# Altium PCB Base PCB.PcbDoc (part 2 of 2)
Units mm, origin at the board's own origin, x right, y up, seen from the top; angles counter-clockwise.
Board outline 85.05 x 98.92 mm, 4 copper layers (Top Layer, Middle Layer 1, Middle Layer 2, Bottom Layer), stack 0.603 mm thick; 150 components, 101 nets, 424 pads, 161 vias.
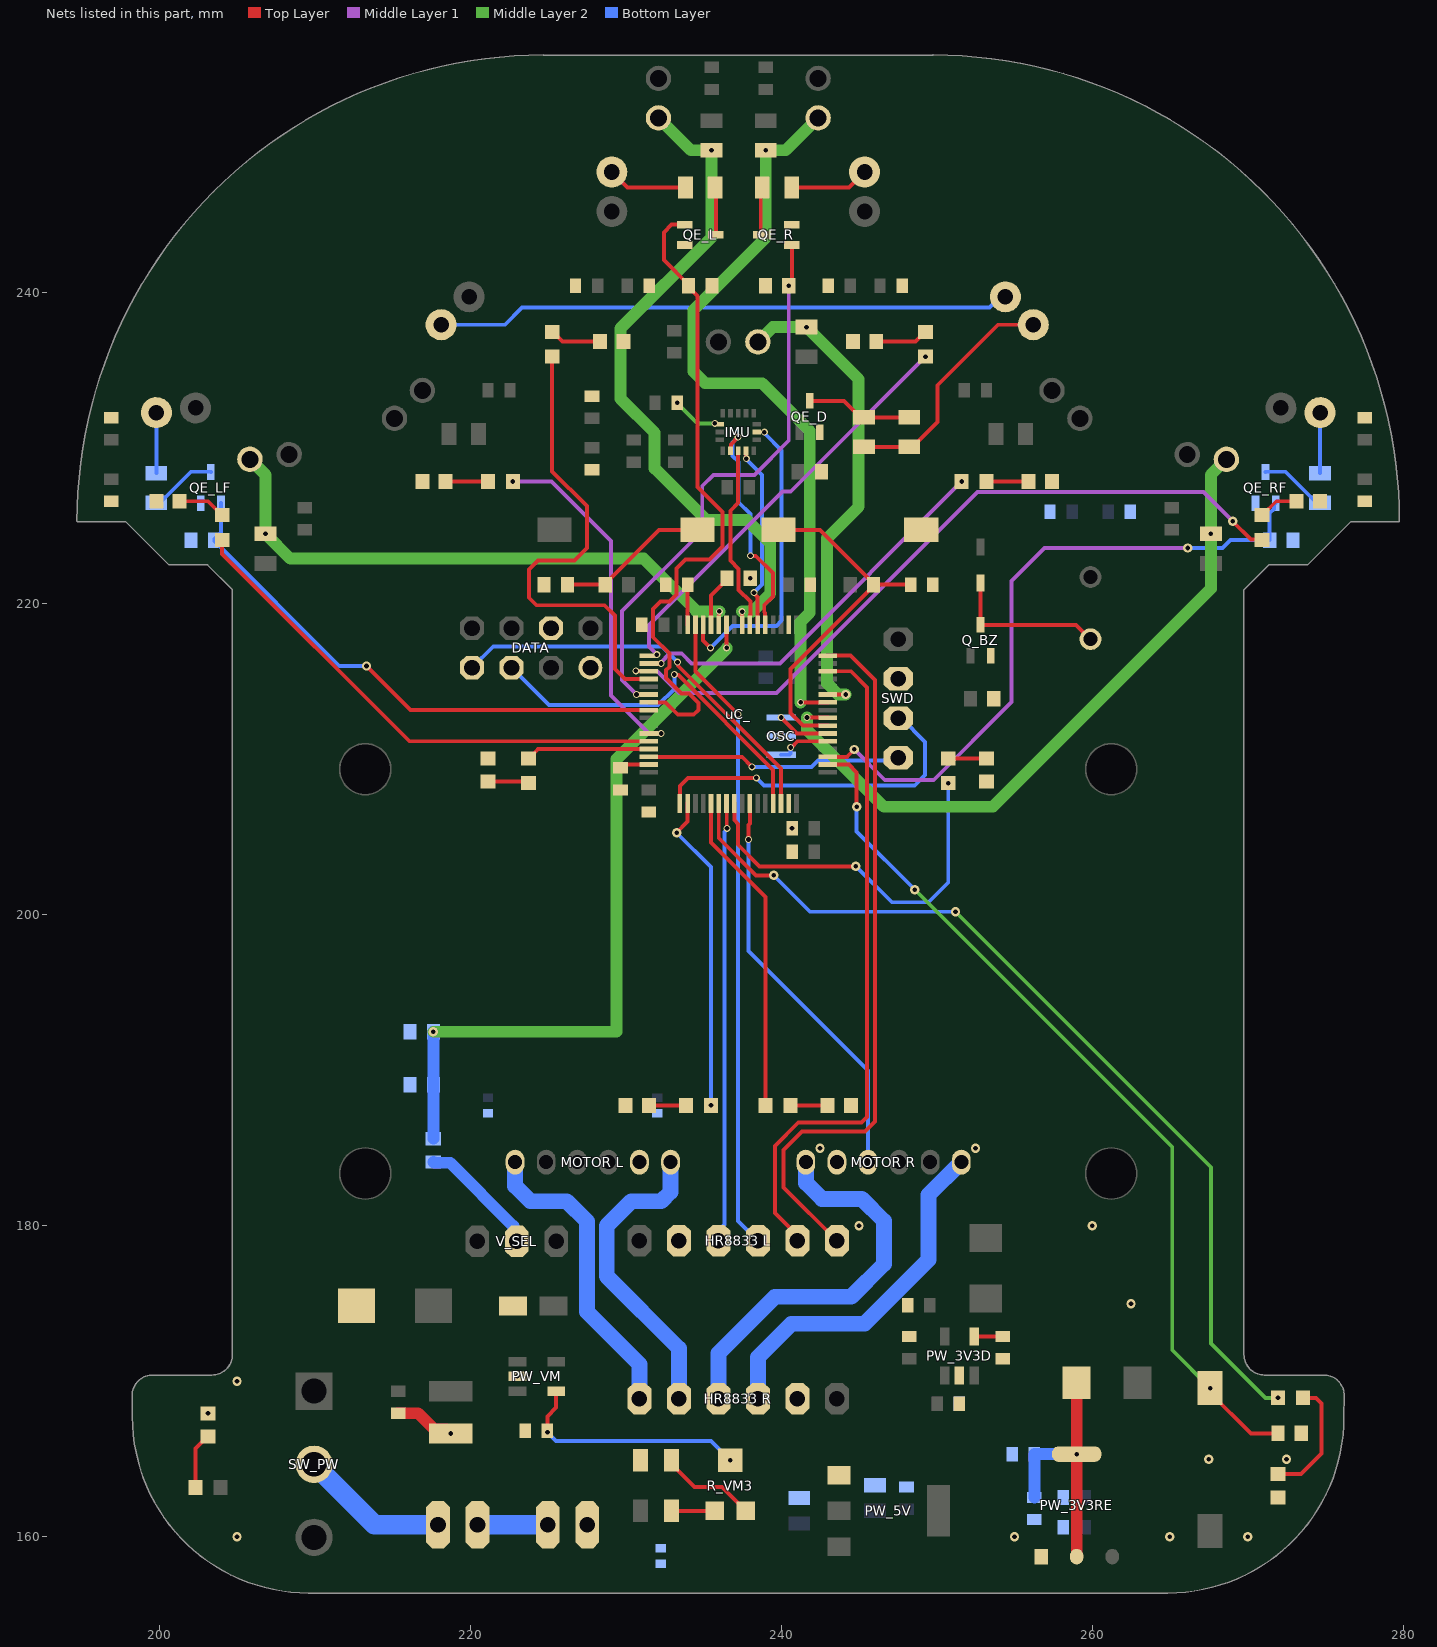
[diagram p4: the nets of this part, all layers, seen from the top]

## Via types
v1: diameter 0.6, hole 0.3, Top Layer to Bottom Layer, 114 vias
v2: diameter 0.45, hole 0.3, Top Layer to Bottom Layer, 47 vias

## Nets (pads, with @x,y where several pads share a name; then routed paths per layer and width w, separated by ;. In a path a pad name is that pad's centre, name@x,y a point inside that pad or via, vN(x,y) a via of type N, cw(c..) or ccw(c..) an arc to the next point about the centre after c; other vN are vias at no path point) (continued)
"ENC RB": "MOTOR R.3" uC_.58 | length 26.3
  Top Layer w0.254: v2(237.896,204.851) 237.896,205.779 237.986,205.868 uC_.58@237.986,207.169
  Bottom Layer w0.254: v2(237.896,204.851) 237.896,197.688 245.586,189.999 245.586,184.099
GND: "HR8833 L.2" "MOTOR L.5" "MOTOR R.2" C_3V3D1.2 C_3V3D2.2 C_3V3D3.2 C_3V3D4.2 C_3V3D5.2 C_3V3RE1.2 C_3V3RE2.2 C_3V3RE3.1 C_3V3RE4.1 C_5V1.1 C_5V2.1 C_5V3.2 C_BAT1.1 C_BZ1.1 C_BZ2.1 C_D1.1 C_D2.1 C_L1.1 C_L2.1 C_LF1.1 C_LF2.1 C_R1.1 C_R2.1 C_RF1.1 C_RF2.1 C_RST.1 C_V1.1 C_V2.2 C_V3.1 C_V4.2 C_VCAP1.2 C_VCAP2.2 C_VM1.2 C_VM2.2 DATA.1 DATA.4 LED1.1 LED2.1 LED3.1 LED4.1 LED5.1 LED6.1 LED7.1 LED8.1 LED9.1 LED10.1 LED11.1 LED_5V.1 OSC.2 PW_3V3D.2 PW_3V3RE.1 PW_5V.1 PW_VM.2 Q_BZ.2 QE_D.2 QE_L.2 QE_LF.2 QE_R.2 QE_RF.2 R_BT2.1 R_BT.1 R_BZ.1 R_D3.1 R_L2.1 R_LF2.1 R_MD.1 R_R2.1 R_RF2.1 R_V2.1 R_V3.1 RST.1 SPL_AGND1.1 SPL_AGND2.1 SPL_MGND.1 SWD.2 uC_.18 uC_.63 | length 3.9
  Top Layer w0.762: C_VM1.2@215.367,167.949 216.648,167.949 217.679,166.918 218.476,166.918 v1(218.745,166.649)
  other v1: 205,160 255,160 265,160 270,160 267.5,165 272.5,165 203.14,167.949 205,170 223.032,170.319 262.5,175 245,180 260,180 242.5,185 252.5,185 240.701,205.562 238.017,221.644
  other v2: 240,211.5
"IL 1": "HR8833 L.4" uC_.30 | length 41.3
  Top Layer w0.254: uC_.30@234.486,218.669 234.486,215.653 v2(237.236,212.903)
  Bottom Layer w0.254: v2(237.236,212.903) 237.236,180.315 238.506,179.045
"IL 2": "HR8833 L.3" uC_.55 | length 28.3
  Top Layer w0.254: uC_.55@236.499,207.155 236.499,205.576 v2(236.513,205.562)
  Bottom Layer w0.254: 235.966,179.045 235.966,179.589 236.294,179.918 236.294,180.03 236.347,180.082 236.347,205.343 236.513,205.509 v2(236.513,205.562)
INT: IMU.7 uC_.29 | length 19.6
  Top Layer w0.254: uC_.29@234.986,218.669 234.986,217.649 v2(235.458,217.176)
  Bottom Layer w0.254: v2(235.458,217.176) 236.874,218.592 239.7,218.592 240.03,218.923 240.03,229.865 238.954,230.941 238.954,231.007 v2(238.916,231.045)
"IR 1": "HR8833 L.6" uC_.16 | length 46
  Top Layer w0.254: uC_.16@242.986,216.669 244.468,216.669 246.024,215.113 246.024,186.715 245.389,186.08 241.351,186.08 240.157,184.887 240.157,182.474 243.586,179.045
"IR 2": "HR8833 L.5" uC_.14 | length 44
  Top Layer w0.254: 241.046,179.045 241.046,179.38 239.598,180.828 239.598,185.141 241.097,186.639 245.161,186.639 245.516,186.995 245.516,214.63 244.478,215.669 uC_.14@242.986,215.669
JTCK: SWD.3 uC_.49 | length 22.1
  Top Layer w0.254: uC_.49@233.486,207.169 233.486,208.289 234.01,208.813 v2(238.404,208.813)
  Bottom Layer w0.254: v2(238.404,208.813) 238.887,208.331 248.59,208.331 249.254,208.995 249.254,211.124 247.73,212.649 SWD.3@247.539,212.649
JTMS: SWD.4 uC_.46 | length 16.6
  Top Layer w0.254: uC_.46@231.486,210.169 237.481,210.169 v2(238.125,209.525)
  Bottom Layer w0.254: v2(238.125,209.525) 241.96,209.525 242.367,209.931 247.361,209.931 SWD.4@247.539,210.109
L_EMITTER: QE_L.1 R_L2.2 uC_.39 | length 42.2
  Top Layer w0.254: uC_.39@231.486,213.669 232.559,213.669 233.347,212.881 234.378,212.881 234.687,213.19 234.687,213.627 234.07,214.243 233.601,214.243 232.601,215.243 232.601,215.745 232.807,215.951 232.807,216.799 231.75,217.856 231.75,219.659 232.232,220.142 232.815,220.142 233.278,220.605 233.278,222.28 233.858,222.86 235.382,222.86 236.22,223.698 236.22,225.908 234.62,227.508 234.62,239.804 234.048,240.376 234.048,240.526 232.461,242.113 232.461,243.891 232.957,244.387 QE_L.1@233.798,244.387
L_RECEIVER: QR_L.1 R_L.2 uC_.24 | length 43.9
  Top Layer w0.254: uC_.24@237.486,218.669 237.488,218.671 237.488,219.503 v2(237.49,219.505)
  Middle Layer 2 w0.762: QR_L.1@232.109,251.257 234.194,249.172 v1(235.523,249.172) 235.523,243.574 229.667,237.719 229.667,233.197 231.859,231.005 231.859,228.719 235.179,225.4 237.795,225.4 239.293,223.901 239.293,220.663 238.135,219.505 v2(237.49,219.505)
LED1: R_LD1.2 uC_.56 | length 24.7
  Top Layer w0.254: uC_.56@236.986,207.169 236.986,206.092 237.219,205.859 237.219,204.512 238.608,203.124 v1(244.805,203.124)
  Bottom Layer w0.254: v1(244.805,203.124) 247.117,200.812 249.479,200.812 250.745,202.079 v1(250.745,208.469)
LED2: R_LD2.2 uC_.54 | length 59.7
  Top Layer w0.254: uC_.54@235.986,207.169 235.986,204.932 238.378,202.54 v1(239.522,202.54)
  Middle Layer 2 w0.254: v1(251.206,200.203) 267.64,183.769 267.64,172.441 271.137,168.943 v1(271.95,168.943)
  Bottom Layer w0.254: v1(239.522,202.54) 241.859,200.203 v1(251.206,200.203)
LED3: R_LD3.2 uC_.53 | length 20.9
  Top Layer w0.254: uC_.53@235.486,207.169 235.486,204.645 238.986,201.145 R_LD3.2@238.986,187.75
LED4: R_LD4.2 uC_.50 | length 20.6
  Top Layer w0.254: v1(233.274,205.283) 233.986,205.995 uC_.50@233.986,207.169
  Bottom Layer w0.254: v1(233.274,205.283) 235.486,203.07 v1(235.486,187.75)
LED5: R_LD5.2 uC_.45 | length 8
  Top Layer w0.254: R_LD5.2@223.75,210.069 223.775,210.069 224.375,210.669 uC_.45@231.486,210.669
LED6: R_LD6.2 uC_.44 | length 33.3
  Top Layer w0.254: R_LD6.2@204.048,224.107 204.048,223.206 216.085,211.169 uC_.44@231.486,211.169
LED7: R_LD7.2 uC_.43 | length 22.9
  Top Layer w0.254: uC_.43@231.486,211.669 v2(232.28,211.669)
  Middle Layer 1 w0.254: v1(222.742,227.87) 225.241,227.87 229.056,224.054 229.056,214.099 231.486,211.669 v2(232.28,211.669)
LED8: R_LD8.2 uC_.36 | length 31.2
  Top Layer w0.254: R_LD8.2@225.274,235.902 225.274,228.522 227.508,226.289 227.508,223.596 226.695,222.783 224.347,222.783 223.774,222.211 223.774,220.396 224.257,219.913 228.651,219.913 229.311,219.253 229.311,215.824 229.966,215.169 uC_.36@231.486,215.169
LED9: R_LD9.2 uC_.33 | length 27.1
  Middle Layer 1 w0.254: v2(232.004,216.738) 231.486,217.256 231.486,218.646 240.081,227.241 240.615,227.241 v1(249.277,235.902)
LED10: R_LD10.2 uC_.34 | length 25.5
  Top Layer w0.254: uC_.34@231.486,216.169 v2(232.28,216.169)
  Middle Layer 1 w0.254: v2(232.28,216.169) 232.28,216.222 232.568,216.51 232.568,216.558 232.825,216.814 233.604,216.814 234.239,216.179 239.913,216.179 v1(251.604,227.87)
LED11: R_LD11.2 uC_.35 | length 48.3
  Top Layer w0.254: v2(230.65,215.696) 230.664,215.682 231.472,215.682 uC_.35@231.486,215.669 ; v1@269.037,225.315 270.212,224.14 270.886,224.14 R_LD11.2@270.919,224.107
  Middle Layer 1 w0.254: v2(230.65,215.696) 232.007,215.696 233.429,214.274 239.7,214.274 252.628,227.203 267.157,227.203 v1(269.037,225.323)
LF_EMITTER: QE_LF.1 R_LF2.2 uC_.40 | length 35.1
  Top Layer w0.254: v1(213.335,216.002) 216.167,213.169 uC_.40@231.486,213.169
  Bottom Layer w0.254: QE_LF.1@203.966,226.482 203.966,224.601 203.548,224.182 203.548,224.032 211.578,216.002 v1(213.335,216.002)
LF_RECEIVER: QR_LF.1 R_LF.2 uC_.27 | length 37.3
  Top Layer w0.254: uC_.27@235.986,218.669 236.004,218.687 236.004,219.499 v2(236.023,219.518)
  Middle Layer 2 w0.762: QR_LF.1@205.836,229.298 206.836,228.298 v1(206.836,224.507) 208.433,222.91 231.165,222.91 234.558,219.518 v2(236.023,219.518)
MGND: "HR8833 R.2" BAT_1.2 C_BAT2.2 C_VM3.1 C_VM4.2 R_VM2.1 SPL_MGND.2
MISO: IMU.4 uC_.22 | length 11.9
  Top Layer w0.254: IMU.4@237.736,229.852 237.749,229.838 237.749,229.354 v2(237.763,229.341) ; v2(238.252,220.726) 238.252,220.673 238.49,220.435 238.49,218.673 uC_.22@238.486,218.669
  Bottom Layer w0.254: v2(237.763,229.341) 237.763,229.298 238.779,228.282 238.779,221.253 v2(238.252,220.726)
MOSI: IMU.3 uC_.23 | length 11.9
  Top Layer w0.254: IMU.3@237.236,229.852 237.236,226.499 236.728,225.991 236.728,222.783 237.261,222.25 237.261,220.904 238.017,220.148 238.017,219.286 238.009,219.278 238.009,218.692 uC_.23@237.986,218.669
"MOT L+": "HR8833 R.6" "MOTOR L.1" | length 19.9
  Bottom Layer w1.016: 222.886,184.099 222.886,182.574 223.876,181.585 226.212,181.585 227.508,180.289 227.508,174.473 230.886,171.094 230.886,168.885
"MOT L-": "HR8833 R.5" "MOTOR L.6" | length 20
  Bottom Layer w1.016: 232.886,184.099 232.886,182.18 232.291,181.585 230.353,181.585 228.778,180.01 228.778,176.759 233.426,172.11 233.426,168.885
"MOT R+": "HR8833 R.3" "MOTOR R.6" | length 23.4
  Bottom Layer w1.016: 238.506,168.885 238.506,171.552 240.665,173.711 245.364,173.711 249.479,177.825 249.479,181.992 251.586,184.099
"MOT R-": "HR8833 R.4" "MOTOR R.1" | length 26.1
  Bottom Layer w1.016: 235.966,168.885 235.966,171.806 239.598,175.438 244.5,175.438 246.609,177.546 246.609,180.315 245.186,181.737 242.621,181.737 241.605,182.753 241.605,184.08 241.586,184.099
MT_RECEIVER: QR_MT.1 R_MT.2 uC_.11 | length 31.3
  Top Layer w0.254: uC_.11@242.986,214.169 242.988,214.171 244.143,214.171 v1(244.145,214.173)
  Middle Layer 2 w0.762: QR_MT.1@238.506,236.852 239.319,237.665 239.319,237.668 239.453,237.802 v1(241.633,237.802) 244.983,234.453 244.983,226.263 242.951,224.231 242.951,214.884 243.662,214.173 v1(244.145,214.173)
NetBAT_1_1: BAT_1.1 BAT_2.2 | length 4.5
  Bottom Layer w1.27: BAT_2.2@220.472,160.782 BAT_1.1@224.993,160.782
NetBAT_2_1: BAT_2.1 SW_PW.2 | length 9.6
  Bottom Layer w1.27: SW_PW.2@209.956,164.669 213.844,160.782 BAT_2.1@217.932,160.782
NetBOOT_1: BOOT.1 R_BT1.2 R_BT2.2 | length 9.9
  Top Layer w0.254: R_BT2.2@226.25,221.238 R_BT1.2@228.689,221.238 228.689,221.313 232.142,224.766 BOOT.1@234.621,224.766
NetBZ_1: BZ.1 D-BZ.2 Q_BZ.3 | length 10.2
  Top Layer w0.254: D-BZ.2@252.822,221.357 Q_BZ.3@252.822,218.655 258.966,218.655 BZ.1@259.893,217.729
NetC_3V3D3_1: C_3V3D3.1 PW_3V3D.4 | length 1.8
  Top Layer w0.254: PW_3V3D.4@252.41,172.884 C_3V3D3.1@254.254,172.884
NetC_3V3RE3_2: C_3V3RE3.2 C_3V3RE4.2 L_3V3RE.1 PW_3V3RE.2 PW_3V3RE.4 | length 16.7
  Top Layer w0.762: PW_3V3RE.2@259.004,158.732 v1(259.004,165.322) L_3V3RE.1@259.004,169.909
  Bottom Layer w0.762: C_3V3RE3.2@256.286,162.535 C_3V3RE4.2@256.286,165.322 v1(259.004,165.322)
NetC_IMU3_1: C_IMU3.1 IMU.14 | length 3
  Middle Layer 2 w0.254: v1(233.306,232.933) 234.623,231.616 v2(235.729,231.616)
NetC_VCAP1_1: C_VCAP1.1 uC_.31 | length 2.6
  Top Layer w0.254: uC_.31@233.986,218.669 233.986,221.236 C_VCAP1.1@233.988,221.238
NetC_VCAP2_1: C_VCAP2.1 uC_.47 | length 1.9
  Top Layer w0.254: C_VCAP2.1@229.667,209.454 229.882,209.669 uC_.47@231.486,209.669
NetC_VM3_2: C_VM3.2 PW_VM.4 R_VM3.2 | length 15.4
  Top Layer w0.254: v1(224.967,166.724) 224.967,167.74 225.532,168.306 PW_VM.4@225.532,169.369
  Bottom Layer w0.254: v1(224.967,166.724) 225.524,166.167 235.483,166.167 v1(236.728,164.922)
NetD_D1_1: D_D1.1 D_D2.2 | length 37
  Bottom Layer w0.254: D_D1.1@218.132,237.955 222.232,237.955 223.342,239.065 253.396,239.065 254.082,239.751 D_D2.2@254.417,239.751
NetD_D2_1: D_D2.1 R_D1.1 R_D2.1 | length 15.5
  Top Layer w0.254: R_D2.1@245.324,230.102 R_D1.1@248.23,230.102 248.455,230.102 250.063,231.71 250.063,234.061 253.957,237.955 D_D2.1@256.214,237.955
NetD_L_1: D_L.1 R_L1.1 | length 5.2
  Top Layer w0.254: D_L.1@229.108,247.777 230.108,246.777 R_L1.1@233.848,246.777
NetD_LF_1: D_LF.1 R_LF1.1 | length 3.9
  Bottom Layer w0.254: R_LF1.1@199.816,228.407 D_LF.1@199.816,232.299
NetD_R_1: D_R.1 R_R1.1 | length 5.1
  Top Layer w0.254: R_R1.1@240.685,246.777 244.364,246.777 D_R.1@245.364,247.777
NetD_RF_1: D_RF.1 R_RF1.1 | length 3.9
  Bottom Layer w0.254: R_RF1.1@274.656,228.407 D_RF.1@274.656,232.299
NetLED1_2: LED1.2 R_LD1.1 | length 2.5
  Top Layer w0.254: R_LD1.1@250.745,210.069 LED1.2@253.204,210.069
NetLED2_2: LED2.2 R_LD2.1 | length 7.9
  Top Layer w0.254: LED2.2@271.95,164.035 273.432,164.035 274.752,165.354 274.752,168.58 274.389,168.943 R_LD2.1@273.55,168.943
NetLED3_2: LED3.2 R_LD3.1 | length 2.4
  Top Layer w0.254: R_LD3.1@240.586,187.75 LED3.2@242.986,187.75
NetLED4_2: LED4.2 R_LD4.1 | length 2.4
  Top Layer w0.254: LED4.2@231.486,187.75 R_LD4.1@233.886,187.75
NetLED5_2: LED5.2 R_LD5.1 | length 2.6
  Top Layer w0.254: LED5.2@221.142,208.569 223.65,208.569 R_LD5.1@223.75,208.469
NetLED6_2: LED6.2 R_LD6.1 | length 3.1
  Top Layer w0.254: LED6.2@201.316,226.601 203.129,226.601 204.023,225.707 R_LD6.1@204.048,225.707
NetLED7_2: LED7.2 R_LD7.1 | length 2.7
  Top Layer w0.254: LED7.2@218.427,227.87 R_LD7.1@221.142,227.87
NetLED8_2: LED8.2 R_LD8.1 | length 3.3
  Top Layer w0.254: R_LD8.1@225.274,237.502 225.299,237.502 225.925,236.876 LED8.2@228.358,236.876
NetLED9_2: LED9.2 R_LD9.1 | length 3.4
  Top Layer w0.254: LED9.2@246.114,236.876 248.626,236.876 249.252,237.502 R_LD9.1@249.277,237.502
NetLED10_2: LED10.2 R_LD10.1 | length 2.7
  Top Layer w0.254: R_LD10.1@253.204,227.87 LED10.2@255.917,227.87
NetLED11_2: LED11.2 R_LD11.1 | length 2.6
  Top Layer w0.254: R_LD11.1@270.919,225.707 270.944,225.707 271.838,226.601 LED11.2@273.156,226.601
NetLED_5V_2: LED_5V.2 R_LD.1 | length 3.6
  Top Layer w0.254: R_LD.1@202.34,163.172 202.34,165.674 203.115,166.449 LED_5V.2@203.14,166.449
NetOSC_1: OSC.1 uC_.5 | length 3.6
  Top Layer w0.254: v2(240.608,210.767) 240.66,210.767 241.063,211.169 uC_.5@242.986,211.169
  Bottom Layer w0.254: OSC.1@240,210.3 240.535,210.3 240.608,210.373 v2(240.608,210.767)
NetOSC_3: OSC.3 uC_.6 | length 3.4
  Top Layer w0.254: v2(240,212.7) 241.031,211.669 uC_.6@242.986,211.669
NetQE_D_3: QE_D.3 R_D1.2 R_D2.2 | length 6.8
  Top Layer w0.254: QE_D.3@241.833,233.052 244.049,233.052 245.099,232.002 R_D2.2@245.324,232.002 R_D1.2@248.23,232.002
NetQE_L_3: QE_L.3 R_L1.2 | length 3.1
  Top Layer w0.254: R_L1.2@235.748,246.777 235.798,246.727 QE_L.3@235.798,243.737
NetQE_LF_3: QE_LF.3 R_LF1.2 | length 4.3
  Bottom Layer w0.254: R_LF1.2@199.816,226.507 200.041,226.507 202.034,228.5 203.298,228.5 QE_LF.3@203.316,228.482
NetQE_R_3: QE_R.3 R_R1.2 | length 3.1
  Top Layer w0.254: QE_R.3@238.685,243.737 238.685,246.677 R_R1.2@238.785,246.777
NetQE_RF_3: QE_RF.3 R_RF1.2 | length 4.3
  Bottom Layer w0.254: QE_RF.3@271.156,228.482 271.174,228.5 272.438,228.5 274.431,226.507 R_RF1.2@274.656,226.507
NetR_BT_2: R_BT.2 uC_.28 | length 3.4
  Top Layer w0.254: uC_.28@235.486,218.669 235.486,219.132 235.496,219.142 235.496,220.548 236.517,221.569 R_BT.2@236.517,221.644
NetR_V1_2: R_V1.2 V_SEL.2 | length 7.9
  Bottom Layer w0.762: R_V1.2@217.633,184.099 217.677,184.055 218.713,184.055 222.777,179.991 222.777,179.223 V_SEL.2@223,179
NetR_VM1_1: R_VM1.1 R_VM3.1 | length 2.8
  Top Layer w0.254: R_VM1.1@232.953,161.672 R_VM3.1@235.728,161.672
NetR_VM2_2: R_VM2.2 R_VM3.3 | length 6.3
  Top Layer w0.254: R_VM2.2@232.953,164.922 232.953,164.672 234.43,163.195 236.205,163.195 R_VM3.3@237.728,161.672
R_EMITTER: QE_R.1 R_R2.2 uC_.38 | length 36.2
  Top Layer w0.254: v2(230.692,214.169) uC_.38@231.486,214.169 ; v1(240.485,240.451) 240.685,240.651 QE_R.1@240.685,243.087
  Middle Layer 1 w0.254: v2(230.692,214.169) 229.767,215.094 229.767,219.531 234.925,224.688 234.925,227.584 235.636,228.295 238.281,228.295 240.487,230.501 240.487,240.449 v1(240.485,240.451)
R_RECEIVER: QR_R.1 R_R.2 uC_.10 | length 48.9
  Top Layer w0.254: v2(241.251,213.667) 242.984,213.667 uC_.10@242.986,213.669
  Middle Layer 2 w0.762: v2(241.251,213.667) 241.251,218.848 241.833,219.431 241.833,231.14 238.785,234.188 235.102,234.188 234.34,234.95 234.34,238.887 239.01,243.557 v1(239.01,249.172) 240.291,249.172 QR_R.1@242.376,251.257
RESET: C_RST.2 R_RST.1 RST.2 uC_.7 | length 23.2
  Top Layer w0.254: RST.2@239.82,224.766 242.493,224.766 245.946,221.313 R_RST.1@245.946,221.238 ; uC_.7@242.986,212.169 241.399,212.169 240.589,212.979 240.589,215.806 245.648,220.865 245.946,221.163 R_RST.1@245.946,221.238 ; C_RST.2@248.325,221.238 R_RST.1@245.946,221.238
RF_EMITTER: QE_RF.1 R_RF2.2 uC_.3 | length 42.9
  Top Layer w0.254: uC_.3@242.986,210.169 244.23,210.169 v1(244.704,210.642)
  Middle Layer 1 w0.254: v1(244.704,210.642) 246.685,208.661 249.784,208.661 254.813,213.69 254.813,221.463 256.946,223.596 v1(266.141,223.596)
  Bottom Layer w0.254: v1(266.141,223.596) 268.382,223.596 268.893,224.107 R_RF2.2@271.419,224.107 271.419,225.842 271.683,226.105 271.683,226.359 QE_RF.1@271.806,226.482
RF_RECEIVER: QR_RF.1 R_RF.2 uC_.8 | length 44.7
  Top Layer w0.254: v2(241.656,212.696) 241.669,212.682 242.972,212.682 uC_.8@242.986,212.669
  Middle Layer 2 w0.762: v2(241.656,212.696) 241.656,211.912 246.609,206.959 253.619,206.959 267.636,220.976 267.636,228.298 QR_RF.1@268.636,229.298
  other v1: 267.636,224.507
SCK: IMU.2 uC_.21 | length 14.8
  Top Layer w0.254: IMU.2@236.736,229.852 236.759,229.875 236.759,230.257 v2(237.236,230.734) ; v2(238.025,223.097) 238.035,223.087 238.365,223.087 239.471,221.981 239.471,220.481 238.91,219.921 238.91,219.484 238.965,219.429 238.965,218.69 uC_.21@238.986,218.669
  Bottom Layer w0.254: v2(237.236,230.734) 236.88,230.378 236.88,229.514 237.272,229.122 237.272,226.532 238.025,225.779 v2(238.025,223.097)
SCL: DATA.5 uC_.61 | length 23.9
  Top Layer w0.254: v2(233.128,215.462) 233.165,215.424 233.392,215.424 239.486,209.33 uC_.61@239.486,207.169
  Bottom Layer w0.254: DATA.5@222.656,215.9 225.069,213.487 232.08,213.487 233.128,214.535 v2(233.128,215.462)
SDA: DATA.7 uC_.62 | length 26
  Top Layer w0.254: v2(233.334,216.256) 233.371,216.218 233.371,216.022 239.986,209.408 uC_.62@239.986,207.169
  Bottom Layer w0.254: DATA.7@220.116,215.9 221.482,217.265 232.324,217.265 v2(233.334,216.256)
TB: MODE.1 R_MD.2 uC_.2 | length 56.8
  Top Layer w0.254: uC_.2@242.986,209.669 244.356,209.669 244.856,209.169 v1(244.856,206.959) ; v1(267.589,169.568) 267.589,169.268 270.208,166.649 R_MD.2@271.95,166.649
  Middle Layer 2 w0.254: v1(248.59,201.625) 265.151,185.064 265.151,172.006 v1(267.589,169.568)
  Bottom Layer w0.254: v1(244.856,206.959) 244.856,205.359 v1(248.59,201.625)
VOL_METER: R_V1.1 R_V2.2 R_V3.2 uC_.26 | length 47.8
  Top Layer w0.254: uC_.26@236.486,218.669 236.493,218.662 236.493,217.183 v2(236.499,217.176)
  Middle Layer 2 w0.762: v1(217.633,192.481) 229.413,192.481 229.413,210.026 236.499,217.113 v2(236.499,217.176)
  Bottom Layer w0.762: R_V1.1@217.633,185.599 R_V3.2@217.633,189.078 v1(217.633,192.481)
pads on no net: SW_PW.3 uC_.15

## Polygon pours and split planes (outlines as drawn)
GND on Top Layer "GND_L01_P012" (solid, remove dead copper, pour order 12): 198.278,167.71 198.261,169.088 cw(c199.582,169.088) 199.582,170.409 203.392,170.409 ccw(c203.392,171.729) 204.712,171.729 204.711,171.729 204.711,220.905 203.112,222.504 200.623,222.504 197.829,225.298 194.716,225.298 194.711,225.303 cw(c224.711,225.303) 224.711,255.303 224.688,255.295 249.786,255.295 249.763,255.303 cw(c249.763,225.303) 279.763,225.303 279.758,225.298 276.645,225.298 273.851,222.504 271.362,222.504 269.763,220.905 269.763,171.729 269.762,171.729 ccw(c271.083,171.729) 271.083,170.409 274.893,170.409 cw(c274.893,169.088) 276.213,169.088 276.196,167.71 cw(c264.873,167.71) 264.873,156.388 237.237,156.388 209.601,156.388 cw(c209.601,167.71)
AGND1 on Top Layer "Top Layer-AGND1" (solid, remove dead copper, pour order 6): 228.879,227.482 233.959,227.482 234.645,227.482 239.09,223.037 239.09,220.273 237.486,218.669 235.986,218.669 235.986,217.317 232.336,213.667 241.251,213.667 241.251,231.722 238.785,234.188 235.102,234.188 234.34,234.95 230.861,234.95 228.879,234.95
MGND on Top Layer "MGND_L01_P000" (solid, remove dead copper, pour order 0): 208.331,173.838 208.331,180.543 215.036,180.543 216.789,182.296 229.591,182.296 229.591,178.308 233.451,174.447 245.415,174.447 245.415,168.402 242.646,165.633 240.716,165.633 240.716,159.41 238.277,156.972 212.166,156.972 212.166,162.179 206.527,162.179 206.527,172.034
GND on Bottom Layer "GND_L04_P015" (solid, remove dead copper, pour order 15): 198.278,167.71 198.261,169.088 cw(c199.582,169.088) 199.582,170.409 203.392,170.409 ccw(c203.392,171.729) 204.712,171.729 204.711,171.729 204.711,220.905 203.112,222.504 200.623,222.504 197.829,225.298 194.716,225.298 194.711,225.303 cw(c224.711,225.303) 224.711,255.303 224.688,255.295 249.786,255.295 249.763,255.303 cw(c249.763,225.303) 279.763,225.303 279.758,225.298 276.645,225.298 273.851,222.504 271.362,222.504 269.763,220.905 269.763,171.729 269.762,171.729 ccw(c271.083,171.729) 271.083,170.409 274.893,170.409 cw(c274.893,169.088) 276.213,169.088 276.196,167.71 cw(c264.873,167.71) 264.873,156.388 237.237,156.388 209.601,156.388 cw(c209.601,167.71)
AGND1 on Bottom Layer "AGND1_L04_P007" (solid, remove dead copper, pour order 7): 243.713,215.824 242.392,215.824 241.783,216.433 234.645,216.433 234.645,212.903 229.235,207.493 229.235,187.852 234.645,187.852 234.645,202.946 232.613,204.978 232.613,208.89 237.896,214.173 243.713,214.173
MGND on Bottom Layer "Bottom Layer-MGND" (solid, remove dead copper, pour order 10): 225.984,163.678 225.984,158.394 227.381,156.997 233.223,157.021 233.223,157.518 233.223,158.509 231.933,158.509 231.679,158.763 231.679,161.869 229.514,164.033 227.508,164.033 227.508,163.398 227.228,163.678
GND on Middle Layer 1 "GND_L02_P013" (solid, remove dead copper, pour order 13): 198.278,167.71 198.261,169.088 cw(c199.582,169.088) 199.582,170.409 203.392,170.409 ccw(c203.392,171.729) 204.712,171.729 204.711,171.729 204.711,220.905 203.112,222.504 200.623,222.504 197.829,225.298 194.716,225.298 194.711,225.303 cw(c224.711,225.303) 224.711,255.303 224.688,255.295 249.786,255.295 249.763,255.303 cw(c249.763,225.303) 279.763,225.303 279.758,225.298 276.645,225.298 273.851,222.504 271.362,222.504 269.763,220.905 269.763,171.729 269.762,171.729 ccw(c271.083,171.729) 271.083,170.409 274.893,170.409 cw(c274.893,169.088) 276.213,169.088 276.196,167.71 cw(c264.873,167.71) 264.873,156.388 237.237,156.388 209.601,156.388 cw(c209.601,167.71)
MGND on Middle Layer 1 "MGND_L02_P002" (solid, remove dead copper, pour order 2): 249.022,163.779 249.022,173.787 232.41,173.787 229.032,177.165 216.637,177.165 214.033,174.561 224.815,163.779
GND on Middle Layer 2 "GND_L03_P014" (solid, remove dead copper, pour order 14): 198.278,167.71 198.261,169.088 cw(c199.582,169.088) 199.582,170.409 203.392,170.409 ccw(c203.392,171.729) 204.712,171.729 204.711,171.729 204.711,220.905 203.112,222.504 200.623,222.504 197.829,225.298 194.716,225.298 194.711,225.303 cw(c224.711,225.303) 224.711,255.303 224.688,255.295 249.786,255.295 249.763,255.303 cw(c249.763,225.303) 279.763,225.303 279.758,225.298 276.645,225.298 273.851,222.504 271.362,222.504 269.763,220.905 269.763,171.729 269.762,171.729 ccw(c271.083,171.729) 271.083,170.409 274.893,170.409 cw(c274.893,169.088) 276.213,169.088 276.196,167.71 cw(c264.873,167.71) 264.873,156.388 237.237,156.388 209.601,156.388 cw(c209.601,167.71)
AGND2 on Middle Layer 2 "AGND2_L03_P011" (solid, remove dead copper, pour order 11): 190.5,187.833 283.388,187.833 283.388,258.801 190.5,258.801
AGND1 on Middle Layer 2 "AGND1_L03_P003" (solid, remove dead copper, pour order 3): 229.184,234.95 234.34,234.95 235.102,234.188 238.785,234.188 241.251,231.722 241.251,213.667 232.336,213.667 235.986,217.317 235.986,218.669 237.486,218.669 238.453,219.636 229.184,228.905

## Keep-outs
Keep-Out Layer:
  lines w0.254: 194.711,225.303 cw(c224.711,225.303) 224.711,255.303 ; 194.716,225.298 197.829,225.298 200.623,222.504 203.112,222.504 204.711,220.905 204.711,171.729 ; 204.712,171.729 cw(c203.392,171.729) 203.392,170.409 199.582,170.409 ccw(c199.582,169.088) 198.261,169.088 198.278,167.71 ccw(c209.601,167.71) 209.601,156.388 237.237,156.388 264.873,156.388 ccw(c264.873,167.71) 276.196,167.71 276.213,169.088 ccw(c274.893,169.088) 274.893,170.409 271.083,170.409 cw(c271.083,171.729) 269.762,171.729 ; 224.688,255.295 237.237,255.295 249.786,255.295 ; 249.763,255.303 cw(c249.763,225.303) 279.763,225.303 ; 269.763,171.729 269.763,220.905 271.362,222.504 273.851,222.504 276.645,225.298 279.758,225.298

## Other copper
Top Layer:
  region net +3V3A: 243.439,214.935 244.119,214.935 244.119,215.341 243.439,215.341
  region net AGND1: 242.545,214.859 241.89,214.859 241.89,214.478 242.545,214.478
  region net +3V3D: 241.148,221.717 241.148,220.777 240.145,219.775 240.145,217.856 241.148,217.856 243.992,220.701 243.992,221.767 244.881,221.767 244.881,220.726 241.224,217.068 239.837,217.068 239.837,221.717
  region net +3V3D: 240.833,206.57 241.13,206.57 241.554,206.146 241.554,203.454 242.672,203.454 243.586,204.368 243.586,209.321 241.935,209.321 240.833,208.22
  region net +3V3D: 232.054,219.177 232.054,218.161 233.147,218.161 233.299,218.008 233.68,218.008 233.68,219.329 233.299,219.329 233.147,219.177
  region net +3V3D: 251.752,222.288 253.454,222.288 255.41,220.332 262.344,220.332 262.344,225.742 261.404,226.682 253.124,226.682 250.698,224.257 250.698,220.37 250.292,219.964 246.405,219.964 246.405,216.56 249.707,216.535 251.752,218.58 251.752,220.122
  region net +3V3D: 230.835,209.347 232.131,209.347 232.131,207.696 232.004,207.569 230.988,207.569 230.835,207.721
  region net +VM: 224.46,180.035 226.416,180.035 229.667,176.784 245.415,176.784 245.415,168.402 244.475,167.462 242.494,167.462 242.494,170.256 241.351,171.399 229.464,171.399 229.464,166.472 229.464,164.719 231.699,162.484 231.699,160.68 230.378,160.68 226.847,164.211 226.847,170.053 226.212,170.688 224.46,170.688
  region net +VBAT: 208.407,168.033 209.512,166.929 210.642,166.929 212.09,165.481 212.09,156.845 262.458,156.845 262.458,159.715 260.223,159.715 260.223,157.836 247.498,157.836 247.498,160.249 235.839,160.249 234.112,158.521 216.027,158.521 216.027,164.313 214.224,166.116 214.224,168.681 216.179,168.681 221.894,168.681 222.25,169.037 223.647,169.037 223.647,169.697 222.25,169.697 222.25,170.713 222.479,170.942 223.647,170.942 223.647,171.602 222.479,171.602 221.285,172.822 221.285,180.035 219.685,180.035 216.383,176.733 216.383,175.031 212.293,170.942 208.407,170.942
Middle Layer 1:
  region net +3V3D: 232.105,218.821 232.435,219.151 233.121,219.151 233.756,219.151 233.756,217.957 239.837,217.957 239.837,221.793 241.249,221.793 241.249,221.028 240.335,220.113 240.335,217.576 232.461,217.576 232.105,217.932 232.105,218.11
  region net +5V: 221.386,166.345 220.599,165.557 216.865,165.557 216.865,167.742 218.427,169.304 214.084,173.647 212.242,171.806 212.242,162.852 224.879,162.852
  region net +5V: 241.046,162.852 244.094,159.804 252.654,159.804 252.654,167.195 258.039,172.58 258.039,185.153 268.656,195.77 268.656,220.789 273.406,225.539 273.406,231.457 270.281,231.457 270.281,225.234 264.287,219.24 264.287,216.7 264.287,208.064 254.711,198.488 254.711,171.64 254.711,174.003 252.959,174.003 248.793,169.837 248.793,164.478 241.427,164.478 225.984,164.478 214.935,175.527 208.305,175.527 208.305,214.694 213.741,220.129 225.73,220.129 226.974,218.885 226.974,218.148 228.498,218.148 228.498,220.612 227.305,221.805 221.463,221.805 221.463,227.8 222.783,229.121 228.206,229.121 229.819,230.734 229.819,235.75 222.199,235.75 222.199,233.083 218.999,229.883 213.258,229.883 213.258,239.357 207.15,233.248 209.931,230.467 209.931,221.805 206.096,221.805 204.673,223.228 204.673,230.772 201.778,230.772 201.092,231.457 201.092,225.412 205.613,220.891 205.613,165.71 204.051,164.147 203.238,164.147 203.238,162.433 203.429,162.243 207.696,162.243 207.696,171.361 208.128,171.793 215.938,171.793 224.879,162.852
  region net +3V3D: 227.508,189.357 244.119,189.357 229.489,203.987 223.926,198.425 223.926,185.242 225.908,185.242 227.432,186.766 227.432,189.281
  region net +3V3D: 223.926,182.499 228.219,178.206 228.219,176.073 232.893,171.399 246.431,171.399 247.421,170.409 248.996,170.409 252.832,174.244 254.152,174.244 254.152,175.895 250.571,179.476 250.571,195.555 243.688,202.438 243.688,209.372 241.986,209.372 240.741,208.128 240.741,206.451 241.249,206.451 241.554,206.146 241.554,201.905 241.122,201.473 237.185,201.473 234.01,204.648 232.537,204.648 232.537,205.715 232.994,206.172 232.994,208.61 232.105,208.61 226.339,214.376 226.339,216.662 224.053,216.662 224.053,212.496 225.552,210.998 225.552,207.924 230.556,202.921 248.488,184.988 248.488,182.88 245.847,180.238 245.847,177.749 244.475,176.378 233.147,176.378 232.105,177.419 232.105,181.813 227.355,181.813 225.908,183.261 225.908,185.242 223.926,185.242
  region net +5V: 251.511,241.554 256.057,241.554 266.217,231.394 273.406,231.394 273.406,238.658 265.582,246.482 209.067,246.482 201.092,238.506 201.092,231.394 201.778,230.708 204.673,230.708 213.258,239.293 218.643,239.293 222.199,235.737 229.806,235.737 235.623,241.554 241.122,241.554 243.713,238.963 248.92,238.963
Bottom Layer:
  region net +3V3A: 233.68,217.068 234.645,216.103 241.554,216.103 242.747,214.91 245.72,214.91 245.72,215.748 244.272,217.195 243.027,217.195 237.515,217.195 237.033,216.713 235.356,216.713 234.569,217.5 234.569,221.59 236.931,223.952 236.931,228.092 229.768,228.092 229.768,229.26 230.619,230.111 230.048,230.683 228.524,229.159 228.524,227.076 233.68,221.92
  region net +3V3A: 230.048,230.378 230.327,230.099 233.807,230.099 234.467,229.438 234.467,226.974 236.931,226.974 236.931,228.981 236.347,229.565 236.347,230.505 237.287,231.445 239.293,231.445 253.009,217.729 253.009,182.753 252.019,181.762 252.019,178.232 257.2,178.232 257.2,218.338 242.824,232.715 237.846,232.715 236.347,231.216 234.417,231.216 234.188,230.988 230.353,230.988 230.048,230.683
  region net +3V3RE: 260.96,167.818 263.906,167.818 267.564,171.475 267.564,221.259 265.608,223.215 265.608,224.104 266.04,224.104 266.04,227.457 267.437,228.854 267.437,238.379 250.825,254.991 223.368,254.991 207.035,238.658 207.035,228.168 207.747,227.457 207.747,226.06 208.204,225.603 210.312,225.603 210.896,226.187 210.896,230.607 213.487,233.197 215.57,233.197 216.383,232.385 221.742,232.385 225.958,236.601 233.705,236.601 234.975,235.331 237.237,235.331 237.237,238.43 223.723,238.43 221.285,235.991 215.798,235.991 215.798,240.081 228.194,252.476 244.881,252.476 258.394,238.963 258.394,236.982 256.743,235.331 252.755,235.331 252.755,233.172 256.032,233.172 257.378,231.826 258.775,233.223 260.02,233.223 262.433,230.81 262.433,227.559 263.55,226.441 263.55,173.66 260.96,171.069
  region net +3V3RE: 237.237,235.331 252.755,235.331 252.755,233.172 256.032,233.172 237.134,233.172 234.975,235.331

## Silkscreen, mask and mechanical layers (free items; w line width, h text height)
Top Overlay:
  lines w0.254: 228.219,167.465 228.219,180.465 ; 228.236,167.467 246.236,167.467 ; 228.236,180.467 246.236,180.467 ; 246.244,167.465 246.244,180.465
  lines w0.508: 222.791,254.177 ccw(c225.666,223.872) 195.286,225.792 198.007,225.792 200.812,222.987 203.327,222.987 205.207,221.107 205.207,219.565 ; 251.681,254.177 cw(c248.806,223.872) 279.186,225.792 276.465,225.792 273.66,222.987 271.145,222.987 269.265,221.107 269.265,219.565 ; 205.207,219.565 205.207,173.17 208.94,173.17 208.94,179.197 217.856,179.197 218.898,187.173 227.965,187.173 227.965,190.17 ; 205.207,219.565 208.94,219.565 208.94,213.538 217.856,213.538 218.898,205.562 227.965,205.562 227.965,202.565 ; 227.965,190.17 227.965,202.565 ; 227.965,190.17 236.322,190.17 236.322,202.565 227.965,202.565 ; 246.482,190.17 246.482,202.565 ; 246.482,190.17 238.125,190.17 238.125,202.565 246.482,202.565 ; 246.482,190.17 246.482,187.173 255.549,187.173 256.591,179.197 265.506,179.197 265.506,173.17 269.265,173.17 269.265,219.565 ; 246.482,202.565 246.482,205.562 255.549,205.562 256.591,213.538 265.506,213.538 265.506,219.565 269.265,219.565
Bottom Overlay:
  text "Designed By: Avishka Herath" at 208.893,213.212 h3 r90
  text "Coco v2.0" at 263.881,192.208 h13
  text "Team MK-MAT" at 244.759,172.471 h5
Walls:
  lines w0.254: 147.237,196.375 327.246,196.375 ; 173.602,106.375 173.602,478.409 ; 173.602,204.862 173.602,332.141 300.863,332.141 ; 204.723,171.729 204.723,220.905 203.124,222.504 200.635,222.504 197.841,225.298 195.491,225.298 194.723,225.298 194.723,226.37 cw(c224.723,226.37) 224.723,256.37 249.723,256.37 cw(c249.723,226.37) 279.723,226.37 279.723,225.298 278.954,225.298 276.605,225.298 273.811,222.504 271.321,222.504 269.723,220.905 269.723,171.729 ; 204.724,171.729 cw(c203.403,171.729) 203.403,170.409 199.593,170.409 ccw(c199.593,169.088) 198.272,169.088 198.272,167.945 ccw(c209.847,167.945) 209.847,156.37 264.598,156.37 ccw(c264.598,167.945) 276.173,167.945 276.173,169.088 ccw(c274.852,169.088) 274.852,170.409 271.042,170.409 cw(c271.042,171.729) 269.721,171.729 ; 300.881,106.375 300.881,478.409 ; 147.237,106.375 135.237,106.375 135.237,286.375 147.237,286.375 147.237,106.375 ; 147.237,106.375 327.237,106.375 327.237,94.375 147.237,94.375 147.237,106.375 ; 327.229,298.392 327.229,478.392 339.229,478.392 339.229,298.392 327.229,298.392 ; 327.229,298.392 147.229,298.392 147.229,286.392 327.229,286.392 327.229,298.392 ; 135.213,298.399 135.213,478.399 147.213,478.399 147.213,298.399 135.213,298.399 ; 147.205,478.416 147.205,490.416 327.205,490.416 327.205,478.416 147.205,478.416 ; 165.108,196.385 173.593,204.87 182.078,196.385 173.593,187.9 165.108,196.385 ; 165.115,332.137 173.6,323.652 182.086,332.137 173.6,340.623 165.115,332.137 ; 292.394,196.374 300.88,187.889 309.365,196.374 300.88,204.86 292.394,196.374 ; 292.42,332.137 300.905,323.652 309.39,332.137 300.905,340.623 292.42,332.137 ; 327.254,106.367 339.254,106.367 339.254,286.367 327.254,286.367 327.254,106.367
Dimensions:
  lines w0.254: 88.746,348.186 cw(c218.973,238.912) 109.7,369.14 ; 110.708,236.048 cw(c230.251,246.507) 110.708,256.966 ; 142.877,506.342 cw(c201.092,232.461) 191.32,512.29 ; 197.816,225.299 199.816,225.299 ; 199.816,232.299 199.816,225.299 ; 205.836,225.298 205.836,229.298 ; 205.836,225.299 199.816,225.299 ; 216.927,233.731 223.927,233.731 223.927,239.751 ; 219.929,239.751 223.929,239.751 ; 223.927,236.741 237.172,236.741 250.418,236.741 ; 230.235,247.777 237.235,247.777 ; 233.236,253.797 237.236,253.797 ; 237.236,255.295 237.236,253.797 ; 237.237,253.797 237.237,247.777 244.237,247.777 ; 241.236,253.797 237.236,253.797 ; 254.417,239.751 250.418,239.751 250.418,233.731 257.418,233.731 ; 268.636,225.298 268.636,229.298 ; 268.636,225.299 274.656,225.299 ; 274.656,232.299 274.656,225.299 ; 276.656,225.299 274.656,225.299 ; 283.254,512.316 cw(c273.482,232.486) 331.697,506.368 ; 363.866,236.074 ccw(c244.323,246.532) 363.866,256.991 ; 364.874,369.165 cw(c255.6,238.938) 385.828,348.212
  lines w0.508: 213.25,183.371 213.25,209.37 ; 213.25,196.371 261.225,196.371 ; 237.237,156.464 237.237,255.372 ; 261.225,183.371 261.225,209.37